# Altium PCB m-BLANC.PcbDoc (part 4 of 15)
Units mm, origin at the board's own origin, x right, y up, seen from the top; angles counter-clockwise.
Board outline 100 x 100 mm, 6 copper layers (Top Layer, InLayer1 (GND), InLayer2 (Signal), InLayer3 (PWR), InLayer4 (GND), Bottom Layer), stack 1.634 mm thick; 322 components, 563 nets, 2865 pads, 1870 vias.
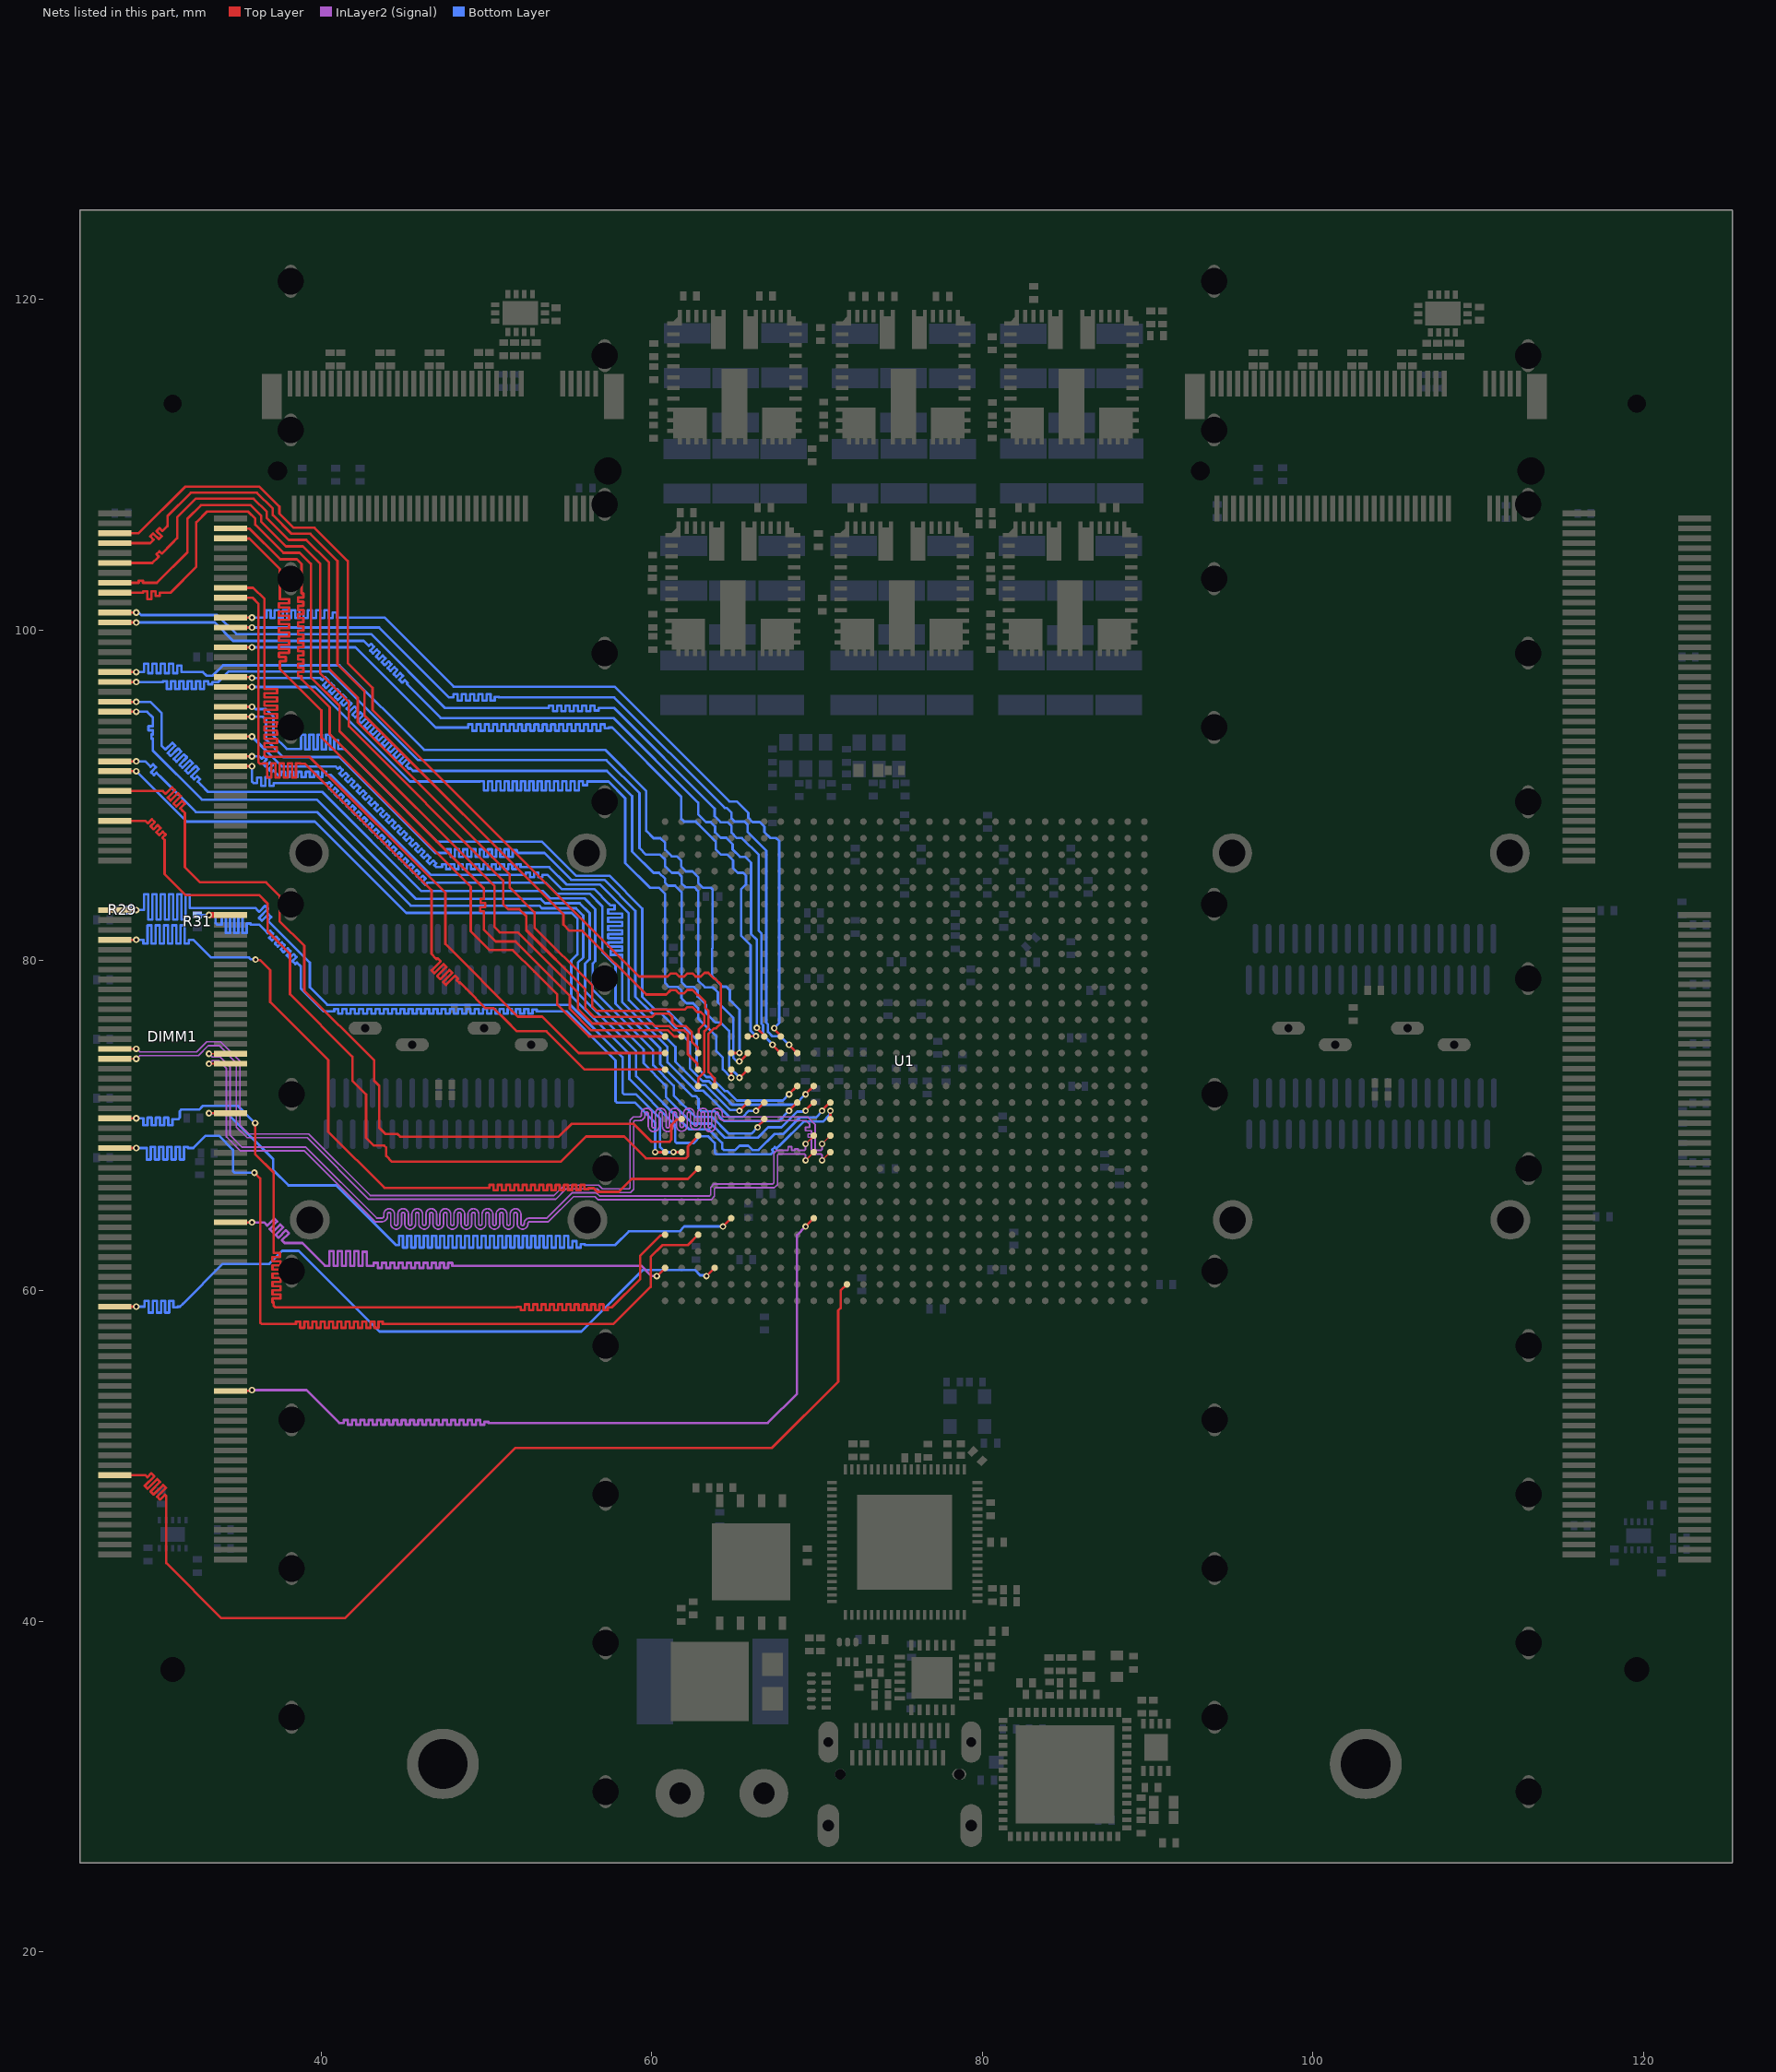
[diagram p8: the nets of this part, all layers, seen from the top]

## Via types
v1: diameter 0.4, hole 0.2, Top Layer to Bottom Layer, tented both sides, 1808 vias
v2: diameter 0.8, hole 0.4, Top Layer to Bottom Layer, tented both sides, 54 vias
v3: diameter 5, hole 3.2, Top Layer to Bottom Layer, 4 vias
v4: diameter 3.5, hole 3.2, Top Layer to Bottom Layer, 4 vias

## Nets (pads, with @x,y where several pads share a name; then routed paths per layer and width w, separated by ;. In a path a pad name is that pad's centre, name@x,y a point inside that pad or via, vN(x,y) a via of type N, cw(c..) or ccw(c..) an arc to the next point about the centre after c; other vN are vias at no path point) (continued)
DRAM1_BA2: DIMM1.79 U1.AH22 | length 65.1
  Top Layer w0.15: DIMM1.79@27.5,81.25 v1(28.8,81.25) ; v1(36.017,80.052) 36.044,80.025 36.291,80.025 36.9,79.415 36.9,77.487 40.421,73.965 40.421,69.634 43.816,66.24 50.099,66.24 50.174,66.24 50.174,66.418 50.424,66.418 50.424,66.092 50.674,66.092 50.674,66.418 50.924,66.418 50.924,66.092 51.174,66.092 51.174,66.418 51.424,66.418 51.424,66.092 51.674,66.092 51.674,66.418 51.924,66.418 51.924,66.092 52.174,66.092 52.174,66.418 52.424,66.418 52.424,66.092 52.674,66.092 52.674,66.418 52.924,66.418 52.924,66.092 53.174,66.092 53.174,66.418 53.424,66.418 53.424,66.092 53.674,66.092 53.674,66.418 53.924,66.418 53.924,66.092 54.174,66.092 54.174,66.418 54.424,66.418 54.424,66.092 54.674,66.092 54.674,66.418 54.924,66.418 54.924,66.092 55.174,66.092 55.174,66.418 55.424,66.418 55.424,66.092 55.674,66.092 55.674,66.418 55.924,66.418 55.924,66.151 56.174,66.151 56.174,66.24 56.458,66.24 56.464,66.235 56.698,66 57.995,66 58.77,66.775 62.175,66.775 U1.AH22@62.8,67.4
  Bottom Layer w0.15: v1(28.8,81.25) 28.9,81.25 29.225,81.25 29.225,81.021 29.475,81.021 29.475,82.124 29.725,82.124 29.725,81.021 29.975,81.021 29.975,82.124 30.225,82.124 30.225,81.021 30.475,81.021 30.475,82.124 30.725,82.124 30.725,81.021 30.975,81.021 30.975,82.124 31.225,82.124 31.225,81.021 31.475,81.021 31.475,82.124 31.725,82.124 31.725,81.021 31.975,81.021 31.975,81.25 32.225,81.25 32.249,81.25 32.305,81.194 33.322,80.177 35.623,80.177 35.732,80.068 36.001,80.068 v1(36.017,80.052)
DRAM1_CAS#: DIMM1.115 U1.AK26 | length 64.2
  Top Layer w0.15: DIMM1.115@27.5,70.45 v1(28.8,70.45) ; v1(35.991,70.158) 35.991,68.277 37.111,67.158 37.111,62.425 37.111,62.298 37.488,62.298 37.488,62.048 37.04,62.048 37.04,61.798 37.528,61.798 37.528,61.548 37.04,61.548 37.04,61.298 37.528,61.298 37.528,61.048 37.04,61.048 37.04,60.798 37.528,60.798 37.528,60.548 37.04,60.548 37.04,60.298 37.528,60.298 37.528,60.048 37.04,60.048 37.04,59.798 37.528,59.798 37.528,59.548 37.04,59.548 37.04,59.298 37.111,59.298 37.111,59.223 37.111,59.095 37.199,59.007 51.454,59.007 51.821,59.007 51.821,59.031 52.071,59.031 52.071,58.839 52.321,58.839 52.321,59.191 52.571,59.191 52.571,58.839 52.821,58.839 52.821,59.191 53.071,59.191 53.071,58.839 53.321,58.839 53.321,59.191 53.571,59.191 53.571,58.839 53.821,58.839 53.821,59.191 54.071,59.191 54.071,58.839 54.321,58.839 54.321,59.191 54.571,59.191 54.571,58.839 54.821,58.839 54.821,59.191 55.071,59.191 55.071,58.839 55.321,58.839 55.321,59.191 55.571,59.191 55.571,58.839 55.821,58.839 55.821,59.191 56.071,59.191 56.071,58.839 56.321,58.839 56.321,59.191 56.571,59.191 56.571,58.839 56.821,58.839 56.821,59.191 57.071,59.191 57.071,58.839 57.321,58.839 57.321,59.007 57.396,59.007 57.587,59.007 59.287,60.708 59.287,62.124 60.531,63.368 60.768,63.368 U1.AK26@60.8,63.4
  Bottom Layer w0.15: v1(28.8,70.45) 28.908,70.45 29.233,70.45 29.233,70.02 29.483,70.02 29.483,70.493 29.733,70.493 29.733,70.02 29.983,70.02 29.983,70.493 30.233,70.493 30.233,70.02 30.483,70.02 30.483,70.493 30.733,70.493 30.733,70.02 30.983,70.02 30.983,70.397 31.29,70.397 31.346,70.397 31.434,70.485 31.434,70.883 31.522,70.97 31.841,70.97 31.842,70.972 32.605,70.972 32.833,71.2 34.949,71.2 v1(35.991,70.158)
DRAM1_CK0_N: DIMM1.103 U1.Y21 | length 67.9
  Top Layer w0.1: DIMM1.103@27.5,74.05 v1(28.8,74.05) ; v1(70.3,67.9) U1.Y21@70.8,68.4
  InLayer2 (Signal) w0.1: v1(28.8,74.05) 28.821,74.05 29.009,74.237 32.552,74.237 33.163,74.849 33.809,74.849 34.853,73.805 34.853,69.929 35.507,69.275 39.139,69.275 42.867,65.547 54.172,65.547 54.799,66.174 56.697,66.174 56.911,65.959 58.707,65.959 58.898,66.149 58.898,70.253 58.956,70.311 59.099,70.311 59.261,70.311 ccw(c59.261,70.636) 59.586,70.636 59.586,70.726 cw(c59.686,70.726) 59.686,70.826 cw(c59.686,70.726) 59.786,70.726 59.786,69.967 ccw(c60.111,69.967) 60.111,69.642 ccw(c60.111,69.967) 60.436,69.967 60.436,70.726 cw(c60.536,70.726) 60.536,70.826 cw(c60.536,70.726) 60.636,70.726 60.636,69.967 ccw(c60.961,69.967) 60.961,69.642 ccw(c60.961,69.967) 61.286,69.967 61.286,70.726 cw(c61.386,70.726) 61.386,70.826 cw(c61.386,70.726) 61.486,70.726 61.486,69.99 ccw(c61.811,69.99) 61.811,69.665 ccw(c61.811,69.99) 62.136,69.99 62.136,70.726 cw(c62.236,70.726) 62.236,70.826 cw(c62.236,70.726) 62.336,70.726 62.336,70.075 ccw(c62.661,70.075) 62.661,69.75 ccw(c62.661,70.075) 62.986,70.075 62.986,70.725 cw(c63.086,70.725) 63.086,70.825 cw(c63.086,70.725) 63.186,70.725 63.186,69.967 ccw(c63.511,69.967) 63.511,69.642 ccw(c63.511,69.967) 63.836,69.967 63.836,70.726 cw(c63.936,70.726) 63.936,70.826 cw(c63.936,70.726) 64.036,70.726 64.036,70.636 ccw(c64.361,70.636) 64.361,70.311 65.045,70.311 69.33,70.311 69.491,70.15 69.541,70.1 69.541,69.9 69.301,69.9 69.301,69.7 69.65,69.7 69.65,69.5 69.452,69.5 69.452,69.3 69.65,69.3 69.65,68.73 69.65,68.503 69.865,68.287 70.241,68.287 70.3,68.229 v1(70.3,67.9)
DRAM1_CK0_P: DIMM1.101 U1.Y20 | length 67
  Top Layer w0.1: DIMM1.101@27.5,74.65 v1(28.8,74.65) ; v1(70.3,68.9) U1.Y20@70.8,69.4
  InLayer2 (Signal) w0.1: v1(28.8,74.65) 28.821,74.65 29.009,74.463 29.5,74.463 30,74.463 32.459,74.463 33.07,75.074 33.902,75.074 35.078,73.898 35.078,70.022 35.6,69.5 39.232,69.5 42.96,65.772 54.079,65.772 54.705,66.399 56.79,66.399 57.005,66.184 58.614,66.184 58.673,66.242 58.673,70.346 58.863,70.536 59.099,70.536 59.261,70.536 ccw(c59.261,70.636) 59.361,70.636 59.361,70.726 cw(c59.686,70.726) 59.686,71.051 cw(c59.686,70.726) 60.011,70.726 60.011,69.967 ccw(c60.111,69.967) 60.111,69.867 ccw(c60.111,69.967) 60.211,69.967 60.211,70.726 cw(c60.536,70.726) 60.536,71.051 cw(c60.536,70.726) 60.861,70.726 60.861,69.967 ccw(c60.961,69.967) 60.961,69.867 ccw(c60.961,69.967) 61.061,69.967 61.061,70.726 cw(c61.386,70.726) 61.386,71.051 cw(c61.386,70.726) 61.711,70.726 61.711,69.99 ccw(c61.811,69.99) 61.811,69.89 ccw(c61.811,69.99) 61.911,69.99 61.911,70.726 cw(c62.236,70.726) 62.236,71.051 cw(c62.236,70.726) 62.561,70.726 62.561,70.075 ccw(c62.661,70.075) 62.661,69.975 ccw(c62.661,70.075) 62.761,70.075 62.761,70.725 cw(c63.086,70.725) 63.086,71.05 cw(c63.086,70.725) 63.411,70.725 63.411,69.967 ccw(c63.511,69.967) 63.511,69.867 ccw(c63.511,69.967) 63.611,69.967 63.611,70.726 cw(c63.936,70.726) 63.936,71.051 cw(c63.936,70.726) 64.261,70.726 64.261,70.636 ccw(c64.361,70.636) 64.361,70.536 65.045,70.536 69.423,70.536 69.875,70.084 69.875,68.596 69.959,68.512 70.241,68.512 70.3,68.571 v1(70.3,68.9)
DRAM1_CK1_N: DIMM1.104 U1.AA21 | length 64.6
  Top Layer w0.1: v1(33.2,73.75) DIMM1.104@34.5,73.75 ; v1(69.3,67.9) U1.AA21@69.8,68.4
  InLayer2 (Signal) w0.1: v1(33.2,73.75) 33.221,73.75 33.409,73.938 33.78,73.938 34.257,73.461 34.257,69.325 34.391,69.191 34.568,69.014 34.567,69.013 34.708,68.872 34.709,68.873 34.802,68.78 35.107,68.475 38.969,68.475 43.256,64.188 43.512,64.188 43.674,64.188 ccw(c43.674,64.513) 43.999,64.513 43.999,64.65 cw(c44.099,64.65) 44.099,64.75 cw(c44.099,64.65) 44.199,64.65 44.199,64.065 ccw(c44.524,64.065) 44.524,63.74 ccw(c44.524,64.065) 44.849,64.065 44.849,64.65 cw(c44.949,64.65) 44.949,64.75 cw(c44.949,64.65) 45.049,64.65 45.049,64.065 ccw(c45.374,64.065) 45.374,63.74 ccw(c45.374,64.065) 45.699,64.065 45.699,64.65 cw(c45.799,64.65) 45.799,64.75 cw(c45.799,64.65) 45.899,64.65 45.899,64.065 ccw(c46.224,64.065) 46.224,63.74 ccw(c46.224,64.065) 46.549,64.065 46.549,64.65 cw(c46.649,64.65) 46.649,64.75 cw(c46.649,64.65) 46.749,64.65 46.749,64.065 ccw(c47.074,64.065) 47.074,63.74 ccw(c47.074,64.065) 47.399,64.065 47.399,64.65 cw(c47.499,64.65) 47.499,64.75 cw(c47.499,64.65) 47.599,64.65 47.599,64.065 ccw(c47.924,64.065) 47.924,63.74 ccw(c47.924,64.065) 48.249,64.065 48.249,64.65 cw(c48.349,64.65) 48.349,64.75 cw(c48.349,64.65) 48.449,64.65 48.449,64.065 ccw(c48.774,64.065) 48.774,63.74 ccw(c48.774,64.065) 49.099,64.065 49.099,64.65 cw(c49.199,64.65) 49.199,64.75 cw(c49.199,64.65) 49.299,64.65 49.299,64.065 ccw(c49.624,64.065) 49.624,63.74 ccw(c49.624,64.065) 49.949,64.065 49.949,64.65 cw(c50.049,64.65) 50.049,64.75 cw(c50.049,64.65) 50.149,64.65 50.149,64.065 ccw(c50.474,64.065) 50.474,63.74 ccw(c50.474,64.065) 50.799,64.065 50.799,64.65 cw(c50.899,64.65) 50.899,64.75 cw(c50.899,64.65) 50.999,64.65 50.999,64.065 ccw(c51.324,64.065) 51.324,63.74 ccw(c51.324,64.065) 51.649,64.065 51.649,64.65 cw(c51.749,64.65) 51.749,64.75 cw(c51.749,64.65) 51.849,64.65 51.849,64.065 ccw(c52.174,64.065) 52.174,63.74 ccw(c52.174,64.065) 52.499,64.065 52.499,64.088 cw(c52.599,64.088) 52.599,64.188 53.274,64.188 53.741,64.188 55.262,65.71 56.559,65.71 56.748,65.521 63.582,65.521 63.783,65.722 63.783,66.176 63.857,66.25 67.416,66.25 67.607,66.44 67.607,68.229 67.665,68.287 69.1,68.287 69.241,68.287 69.3,68.229 v1(69.3,67.9)
DRAM1_CK1_P: DIMM1.102 U1.AA20 | length 65.1
  Top Layer w0.1: v1(33.2,74.35) DIMM1.102@34.5,74.35 ; v1(69.3,68.9) U1.AA20@69.8,69.4
  InLayer2 (Signal) w0.1: v1(33.2,74.35) 33.221,74.35 33.409,74.163 33.873,74.163 34.482,73.554 34.482,69.418 35.2,68.7 39.062,68.7 43.349,64.413 43.512,64.413 43.674,64.413 ccw(c43.674,64.513) 43.774,64.513 43.774,64.65 cw(c44.099,64.65) 44.099,64.975 cw(c44.099,64.65) 44.424,64.65 44.424,64.065 ccw(c44.524,64.065) 44.524,63.965 ccw(c44.524,64.065) 44.624,64.065 44.624,64.65 cw(c44.949,64.65) 44.949,64.975 cw(c44.949,64.65) 45.274,64.65 45.274,64.065 ccw(c45.374,64.065) 45.374,63.965 ccw(c45.374,64.065) 45.474,64.065 45.474,64.65 cw(c45.799,64.65) 45.799,64.975 cw(c45.799,64.65) 46.124,64.65 46.124,64.065 ccw(c46.224,64.065) 46.224,63.965 ccw(c46.224,64.065) 46.324,64.065 46.324,64.65 cw(c46.649,64.65) 46.649,64.975 cw(c46.649,64.65) 46.974,64.65 46.974,64.065 ccw(c47.074,64.065) 47.074,63.965 ccw(c47.074,64.065) 47.174,64.065 47.174,64.65 cw(c47.499,64.65) 47.499,64.975 cw(c47.499,64.65) 47.824,64.65 47.824,64.065 ccw(c47.924,64.065) 47.924,63.965 ccw(c47.924,64.065) 48.024,64.065 48.024,64.65 cw(c48.349,64.65) 48.349,64.975 cw(c48.349,64.65) 48.674,64.65 48.674,64.065 ccw(c48.774,64.065) 48.774,63.965 ccw(c48.774,64.065) 48.874,64.065 48.874,64.65 cw(c49.199,64.65) 49.199,64.975 cw(c49.199,64.65) 49.524,64.65 49.524,64.065 ccw(c49.624,64.065) 49.624,63.965 ccw(c49.624,64.065) 49.724,64.065 49.724,64.65 cw(c50.049,64.65) 50.049,64.975 cw(c50.049,64.65) 50.374,64.65 50.374,64.065 ccw(c50.474,64.065) 50.474,63.965 ccw(c50.474,64.065) 50.574,64.065 50.574,64.65 cw(c50.899,64.65) 50.899,64.975 cw(c50.899,64.65) 51.224,64.65 51.224,64.065 ccw(c51.324,64.065) 51.324,63.965 ccw(c51.324,64.065) 51.424,64.065 51.424,64.65 cw(c51.749,64.65) 51.749,64.975 cw(c51.749,64.65) 52.074,64.65 52.074,64.065 ccw(c52.174,64.065) 52.174,63.965 ccw(c52.174,64.065) 52.274,64.065 52.274,64.088 cw(c52.599,64.088) 52.599,64.413 53.274,64.413 53.647,64.413 55.169,65.935 56.652,65.935 56.842,65.746 63.489,65.746 63.558,65.815 63.558,66.27 63.763,66.475 67.323,66.475 67.382,66.534 67.382,68.322 67.572,68.512 68.2,68.512 68.25,68.512 68.25,68.734 68.45,68.734 68.45,68.512 68.65,68.512 68.65,68.586 68.85,68.586 68.85,68.512 69.074,68.512 69.124,68.512 69.241,68.512 69.3,68.571 v1(69.3,68.9)
DRAM1_CKE0: DIMM1.73 R29.1 U1.AJ21 | length 63.2
  Top Layer w0.15: DIMM1.73@27.5,83.05 v1(28.8,83.05) ; v1(61.307,68.4) U1.AJ21@61.8,68.4
  Bottom Layer w0.15: R29.1@28.367,83.046 28.371,83.05 v1(28.8,83.05) 29.2,83.05 29.275,83.05 29.275,84.007 29.525,84.007 29.525,82.475 29.775,82.475 29.775,84.007 30.025,84.007 30.025,82.475 30.275,82.475 30.275,84.007 30.525,84.007 30.525,82.475 30.775,82.475 30.775,84.007 31.025,84.007 31.025,82.475 31.275,82.475 31.275,84.007 31.525,84.007 31.525,82.475 31.775,82.475 31.775,83.965 32.025,83.965 32.025,83.172 32.174,83.172 35.999,83.172 36.173,82.998 36.227,82.945 36.591,83.309 36.768,83.132 36.218,82.583 36.395,82.406 36.791,82.802 36.968,82.625 36.757,82.414 37.184,81.988 39.3,79.871 39.3,78.38 40.363,77.316 55.05,77.316 58.226,74.14 58.226,71.988 58.314,71.9 59.029,71.9 60.5,70.429 60.5,68.7 60.8,68.4 v1(61.307,68.4)
DRAM1_CKE1: DIMM1.74 R31.1 U1.AK21 | length 62.4
  Top Layer w0.15: v1(60.2,68.4) U1.AK21@60.8,68.4
  Top Layer w0.35: v1(33.2,82.75) DIMM1.74@34.5,82.75
  Bottom Layer w0.15: R31.1@32.503,82.755 32.506,82.752 33.198,82.752 v1(33.2,82.75) 33.226,82.724 33.515,82.724 33.603,82.637 33.603,82.26 33.691,82.172 33.899,82.172 33.975,82.172 33.975,82.651 34.225,82.651 34.225,81.67 34.475,81.67 34.475,82.651 34.725,82.651 34.725,81.67 34.975,81.67 34.975,82.651 35.225,82.651 35.225,81.67 35.475,81.67 35.475,82.239 35.725,82.239 35.725,82.172 36.145,82.172 36.223,82.172 36.697,81.697 36.751,81.644 36.905,81.798 37.081,81.622 36.835,81.375 37.012,81.198 37.258,81.445 37.435,81.268 37.188,81.022 37.365,80.845 37.612,81.091 37.788,80.915 37.542,80.668 37.719,80.491 37.965,80.738 38.142,80.561 37.895,80.314 38.072,80.138 38.319,80.384 38.495,80.207 38.249,79.961 38.426,79.784 38.518,79.877 38.712,79.682 38.763,79.632 38.763,78.288 40.13,76.921 40.7,76.921 40.775,76.921 40.775,77.066 41.025,77.066 41.025,76.781 41.275,76.781 41.275,77.066 41.525,77.066 41.525,76.781 41.775,76.781 41.775,77.066 42.025,77.066 42.025,76.781 42.275,76.781 42.275,77.066 42.525,77.066 42.525,76.781 42.775,76.781 42.775,77.066 43.025,77.066 43.025,76.781 43.275,76.781 43.275,77.066 43.525,77.066 43.525,76.781 43.775,76.781 43.775,77.066 44.025,77.066 44.025,76.781 44.275,76.781 44.275,77.066 44.525,77.066 44.525,76.781 44.775,76.781 44.775,77.066 45.025,77.066 45.025,76.781 45.275,76.781 45.275,77.066 45.525,77.066 45.525,76.781 45.775,76.781 45.775,77.066 46.025,77.066 46.025,76.781 46.275,76.781 46.275,77.066 46.525,77.066 46.525,76.781 46.775,76.781 46.775,77.066 47.025,77.066 47.025,76.781 47.275,76.781 47.275,77.066 47.525,77.066 47.525,76.781 47.775,76.781 47.775,77.066 48.025,77.066 48.025,76.781 48.275,76.781 48.275,77.066 48.525,77.066 48.525,76.781 48.775,76.781 48.775,77.066 49.025,77.066 49.025,76.781 49.275,76.781 49.275,77.066 49.525,77.066 49.525,76.781 49.775,76.781 49.775,77.066 50.025,77.066 50.025,76.781 50.275,76.781 50.275,77.066 50.525,77.066 50.525,76.781 50.775,76.781 50.775,77.066 51.025,77.066 51.025,76.781 51.275,76.781 51.275,77.066 51.525,77.066 51.525,76.781 51.775,76.781 51.775,77.066 52.025,77.066 52.025,76.781 52.275,76.781 52.275,77.066 52.525,77.066 52.525,76.781 52.775,76.781 52.775,77.027 53.025,77.027 53.025,76.921 53.799,76.921 54.832,76.921 57.8,73.953 57.8,71.488 57.888,71.4 58.972,71.4 60.2,70.172 v1(60.2,68.4)
DRAM1_CS0#: DIMM1.114 U1.AF25 | length 68.1
  Top Layer w0.15: v1(33.2,70.75) DIMM1.114@34.5,70.75 ; v1(64.3,63.9) U1.AF25@64.8,64.4
  Bottom Layer w0.15: v1(33.2,70.75) 34.316,70.75 37.083,67.983 37.083,67.317 38.007,66.393 40.897,66.393 44.514,62.776 44.617,62.776 44.692,62.776 44.692,63.333 44.942,63.333 44.942,62.622 45.192,62.622 45.192,63.333 45.442,63.333 45.442,62.622 45.692,62.622 45.692,63.333 45.942,63.333 45.942,62.622 46.192,62.622 46.192,63.333 46.442,63.333 46.442,62.622 46.692,62.622 46.692,63.333 46.942,63.333 46.942,62.622 47.192,62.622 47.192,63.333 47.442,63.333 47.442,62.622 47.692,62.622 47.692,63.333 47.942,63.333 47.942,62.622 48.192,62.622 48.192,63.333 48.442,63.333 48.442,62.622 48.692,62.622 48.692,63.333 48.942,63.333 48.942,62.622 49.192,62.622 49.192,63.333 49.442,63.333 49.442,62.622 49.692,62.622 49.692,63.333 49.942,63.333 49.942,62.622 50.192,62.622 50.192,63.333 50.442,63.333 50.442,62.622 50.692,62.622 50.692,63.333 50.942,63.333 50.942,62.622 51.192,62.622 51.192,63.333 51.442,63.333 51.442,62.622 51.692,62.622 51.692,63.333 51.942,63.333 51.942,62.622 52.192,62.622 52.192,63.333 52.442,63.333 52.442,62.622 52.692,62.622 52.692,63.333 52.942,63.333 52.942,62.622 53.192,62.622 53.192,63.333 53.442,63.333 53.442,62.622 53.692,62.622 53.692,63.333 53.942,63.333 53.942,62.622 54.192,62.622 54.192,63.333 54.442,63.333 54.442,62.622 54.692,62.622 54.692,63.333 54.942,63.333 54.942,62.622 55.192,62.622 55.192,63.014 55.442,63.014 55.442,62.622 55.692,62.622 55.692,62.837 55.942,62.837 55.942,62.776 57.386,62.776 57.776,62.776 58.604,63.604 61.672,63.604 61.969,63.9 v1(64.3,63.9)
DRAM1_CS1#: DIMM1.121 U1.AH26 | length 65.2
  Top Layer w0.15: DIMM1.121@27.5,68.65 v1(28.8,68.65) ; v1(35.948,67.158) 36.3,66.806 36.3,58.088 36.388,58 38.387,58 38.462,58 38.462,58.151 38.712,58.151 38.712,57.767 38.962,57.767 38.962,58.151 39.212,58.151 39.212,57.767 39.462,57.767 39.462,58.151 39.712,58.151 39.712,57.767 39.962,57.767 39.962,58.151 40.212,58.151 40.212,57.767 40.462,57.767 40.462,58.151 40.712,58.151 40.712,57.767 40.962,57.767 40.962,58.151 41.212,58.151 41.212,57.767 41.462,57.767 41.462,58.151 41.712,58.151 41.712,57.767 41.962,57.767 41.962,58.151 42.212,58.151 42.212,57.767 42.462,57.767 42.462,58.151 42.712,58.151 42.712,57.767 42.962,57.767 42.962,58.151 43.212,58.151 43.212,57.767 43.462,57.767 43.462,58.151 43.712,58.151 43.712,57.997 43.962,57.997 43.962,58 44.275,58 57.671,58 59.925,60.254 59.925,62.055 60.645,62.775 61.529,62.775 62.175,62.775 U1.AH26@62.8,63.4
  Bottom Layer w0.15: v1(28.8,68.65) 29.105,68.65 29.43,68.65 29.43,67.95 29.68,67.95 29.68,68.722 29.93,68.722 29.93,67.95 30.18,67.95 30.18,68.722 30.43,68.722 30.43,67.95 30.68,67.95 30.68,68.722 30.93,68.722 30.93,67.95 31.18,67.95 31.18,68.722 31.43,68.722 31.43,67.95 31.68,67.95 31.68,68.722 31.93,68.722 31.93,68.65 32.192,68.65 32.25,68.65 32.993,69.393 33.807,69.393 34.652,68.548 34.652,67.246 34.74,67.158 v1(35.948,67.158)
DRAM1_DM0: DIMM1.11 U1.AH14 | length 59.6
  Top Layer w0.15: DIMM1.11@27.5,104.05 29.771,104.05 30.111,104.389 30.164,104.442 30.02,104.586 30.197,104.763 30.34,104.619 30.961,105.239 31.275,105.554 31.275,106.828 32.39,107.942 35.9,107.942 36.7,107.142 36.7,106.77 38.024,105.446 39.09,105.446 40.462,104.074 40.462,97.638 42.2,95.9 42.2,94.4 51.4,85.2 51.4,84.4 52.9,82.9 52.9,81.984 56.394,78.49 56.394,77.211 56.654,76.951 59.913,76.951 59.987,77.025 61.995,77.025 62.145,77.175 62.455,77.175 62.753,76.878 62.961,76.878 63.175,76.664 63.175,76.171 62.829,75.825 62.829,75.429 U1.AH14@62.8,75.4
DRAM1_DM1: DIMM1.28 U1.AE14 | length 62
  Top Layer w0.15: DIMM1.28@34.5,98.95 35.621,98.95 v1(35.8,98.95) ; U1.AE14@65.8,75.4 65.812,75.412 66.289,75.412 v1(66.301,75.423)
  Bottom Layer w0.15: v1(35.8,98.95) 42.058,98.95 46.92,94.088 48.815,94.088 48.89,94.088 48.89,94.289 49.14,94.289 49.14,93.897 49.39,93.897 49.39,94.289 49.64,94.289 49.64,93.897 49.89,93.897 49.89,94.289 50.14,94.289 50.14,93.897 50.39,93.897 50.39,94.289 50.64,94.289 50.64,93.897 50.89,93.897 50.89,94.289 51.14,94.289 51.14,93.897 51.39,93.897 51.39,94.289 51.64,94.289 51.64,93.897 51.89,93.897 51.89,94.289 52.14,94.289 52.14,93.897 52.39,93.897 52.39,94.289 52.64,94.289 52.64,93.897 52.89,93.897 52.89,94.289 53.14,94.289 53.14,93.897 53.39,93.897 53.39,94.289 53.64,94.289 53.64,93.897 53.89,93.897 53.89,94.289 54.14,94.289 54.14,93.897 54.39,93.897 54.39,94.289 54.64,94.289 54.64,93.897 54.89,93.897 54.89,94.289 55.14,94.289 55.14,93.897 55.39,93.897 55.39,94.289 55.64,94.289 55.64,93.897 55.89,93.897 55.89,94.289 56.14,94.289 56.14,93.897 56.39,93.897 56.39,94.289 56.64,94.289 56.64,93.897 56.89,93.897 56.89,94.289 57.14,94.289 57.14,94.056 57.39,94.056 57.39,94.088 57.555,94.088 57.605,94.088 61.775,89.918 61.775,88.574 61.949,88.4 62.662,88.4 63.864,87.198 63.864,86.721 64.17,86.415 64.559,86.415 64.912,86.062 64.912,85.58 65.193,85.3 65.53,85.3 65.7,85.13 65.7,84.6 65.4,84.3 65.4,81.5 65.975,80.925 65.975,75.749 v1(66.301,75.423)
DRAM1_DM2: DIMM1.46 U1.AE18 | length 60.2
  Top Layer w0.15: DIMM1.46@34.5,93.55 35.621,93.55 v1(35.8,93.55) ; v1(65.3,70.9) U1.AE18@65.8,71.4
  Bottom Layer w0.15: v1@35.8,93.55 37.607,91.743 40.857,91.743 40.952,91.648 41.005,91.595 41.114,91.705 41.291,91.528 41.077,91.314 41.254,91.137 41.468,91.351 41.645,91.175 41.431,90.961 41.608,90.784 41.822,90.998 41.998,90.821 41.785,90.607 41.961,90.43 42.175,90.644 42.352,90.467 42.138,90.254 42.315,90.077 42.529,90.291 42.705,90.114 42.492,89.9 42.668,89.723 42.882,89.937 43.059,89.76 42.845,89.546 43.022,89.37 43.236,89.584 43.413,89.407 43.199,89.193 43.376,89.016 43.589,89.23 43.766,89.053 43.552,88.839 43.729,88.663 43.943,88.876 44.12,88.7 43.906,88.486 44.083,88.309 44.296,88.523 44.473,88.346 44.259,88.132 44.436,87.955 44.65,88.169 44.827,87.993 44.613,87.779 44.79,87.602 45.004,87.816 45.18,87.639 44.966,87.425 45.143,87.248 45.357,87.462 45.534,87.285 45.32,87.072 45.497,86.895 45.711,87.109 45.887,86.932 45.674,86.718 45.85,86.541 46.064,86.755 46.241,86.578 46.027,86.364 46.204,86.188 46.418,86.402 46.595,86.225 46.381,86.011 46.557,85.834 46.771,86.048 46.948,85.871 46.839,85.762 46.934,85.666 46.954,85.646 47.229,85.646 47.304,85.646 47.304,85.825 47.554,85.825 47.554,85.526 47.804,85.526 47.804,85.825 48.054,85.825 48.054,85.526 48.304,85.526 48.304,85.825 48.554,85.825 48.554,85.526 48.804,85.526 48.804,85.825 49.054,85.825 49.054,85.526 49.304,85.526 49.304,85.825 49.554,85.825 49.554,85.526 49.804,85.526 49.804,85.825 50.054,85.825 50.054,85.526 50.304,85.526 50.304,85.825 50.554,85.825 50.554,85.526 50.804,85.526 50.804,85.825 51.054,85.825 51.054,85.526 51.304,85.526 51.304,85.825 51.554,85.825 51.554,85.526 51.804,85.526 51.804,85.815 52.054,85.815 52.054,85.646 53.702,85.646 53.779,85.646 54.828,84.597 56.842,84.597 58.6,82.839 58.6,77.594 61.425,74.769 61.425,73.863 62.839,72.449 63.244,72.449 64.745,70.948 65.252,70.948 v1(65.3,70.9)